# Altium PCB balenaFin_v1_x_x.PcbDoc (part 1 of 7) (continued)
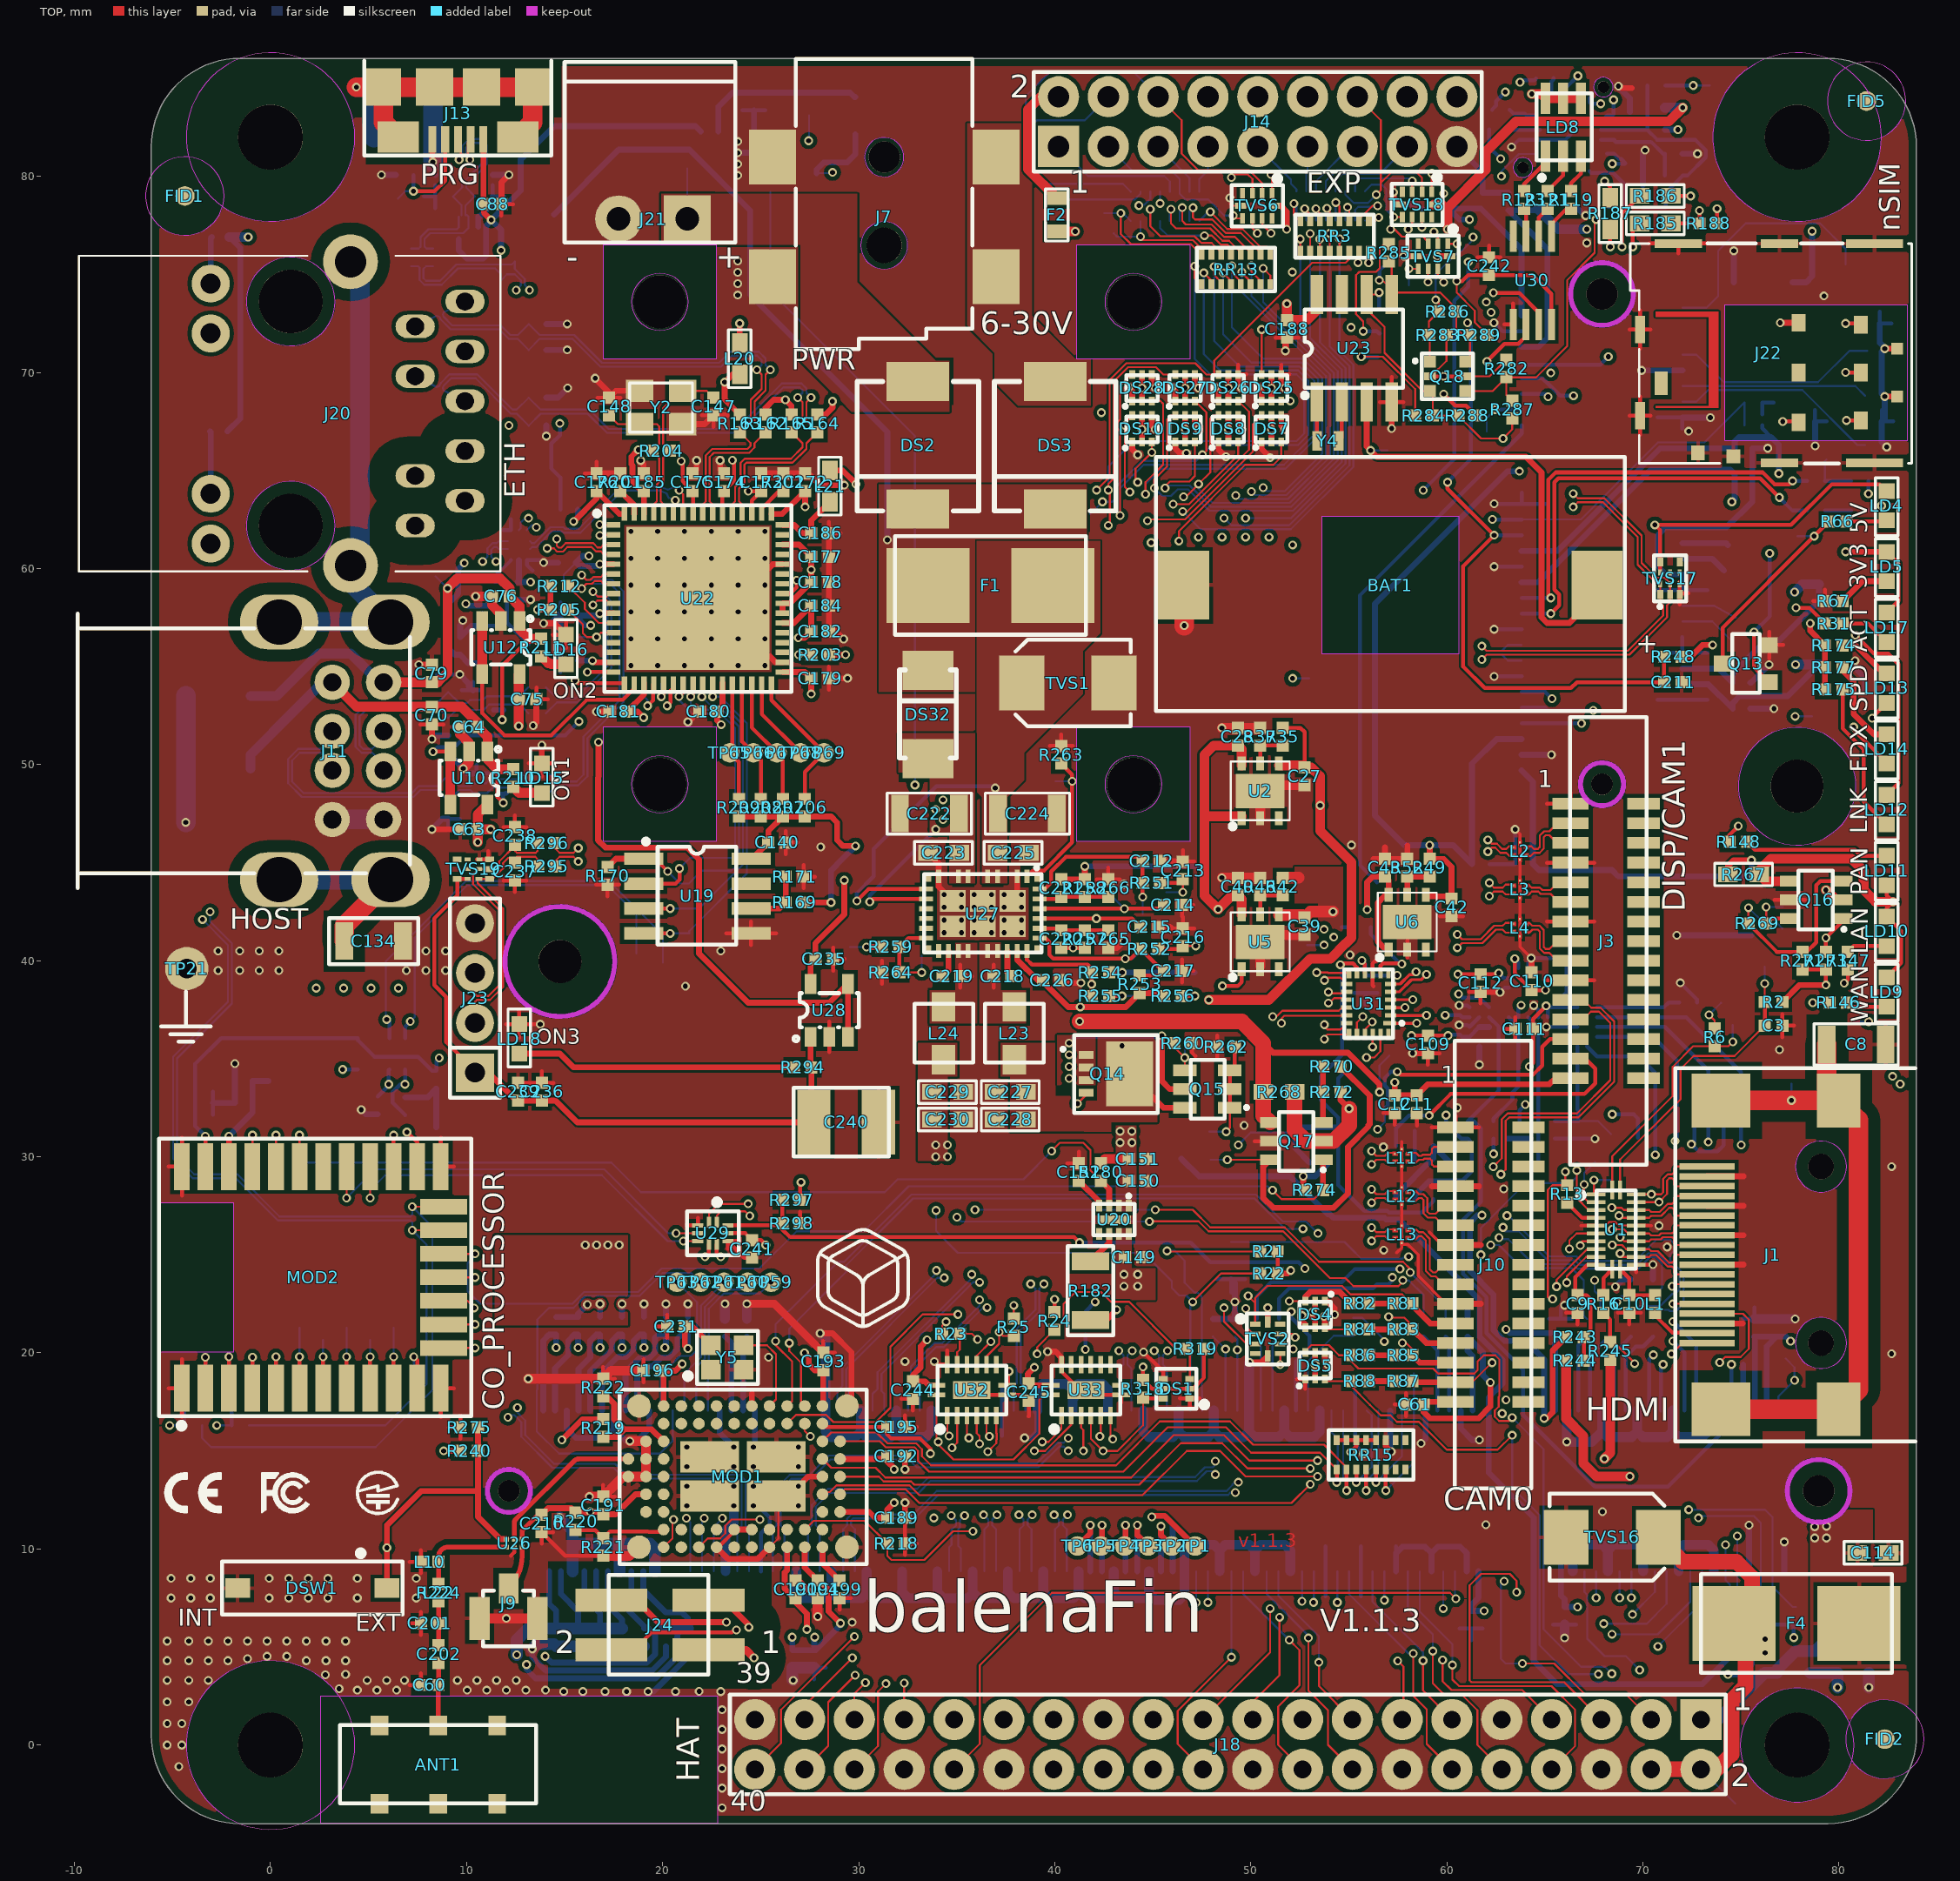
[diagram p0: TOP view]
## Components (designator, comment, footprint, x,y, rotation, side; value= is the part's Value field where it differs from the comment) (continued)
LD18 "LED_USB_HEADER" LD-0603 12.69,36.01 r270 top locked
MOD1 "WYSBHVGXG" MOD-WYSBHVGXG 24.1,13.69 r180 top locked
MOD2 "BGM111A256V21R" MOD-ARTIK-020 -5.37,17 r90 top locked
Q1 "BSS138LT1G" SOT23#1 48.99,25.65 r0 bottom locked
Q2 "BSS138LT1G" SOT23#2 29.835,84.05 r0 bottom locked
Q3 "BSS138LT1G" SOT23#3 25.49,79.21 r0 bottom locked
Q6 "BSS138LT1G" SOT23#3 10.81,55.17 r0 bottom locked
Q13 "BSS138LT1G" SOT23#2 76.43,54.2 r0 top locked
Q14 "SISS27DN-T1-GE3" POWERVDFN8-0330X0330 43.12,34.23 r270 top locked
Q15 "DMMT5401-7-F" SOT23-6L 48.93,32.5 r90 top locked
Q16 "FDC6327C" SOT23-6-DBV#1 78.83,43.1 r90 top locked
Q17 "FDC6327C" SOT23-6-DBV#1 52.33,30.8 r90 top locked
Q18 "PMGD280UN" SOT363 60.03,69.8 r0 top locked
Q20 "FDC6327C" SOT23-6-DBV#2 58.36,29.2 r0 bottom locked
Q21 "DMN3053L-7" SOT23#3 54.46,31.5 r0 bottom locked
R1 "2.49K" RS-0402#1 73.03,5.59 r270 bottom locked
R2 "0R" RS-0402#1 76.66,37.89 r0 top locked
R3 "2.49K" RS-0402#2 75.09,6.57 r0 bottom locked
R4 "2.49K" RS-0402#1 76.67,6.59 r270 bottom locked
R5 "2.49K" RS-0402#1 77.79,6.59 r270 bottom locked
R6 "0R" RS-0402#1 73.66,36.09 r270 top locked
R7 "100k" RS-0402#1 70.51,23.3 r270 bottom locked
R8 "0R" RS-0402#1 70.51,21.28 r90 bottom locked
R9 "0R" RS-0402#1 69.39,21.28 r90 bottom locked
R10 "100k" RS-0402#1 69.39,23.3 r270 bottom locked
R11 "0R" RS-0402#1 68.27,21.28 r90 bottom locked
R12 "0R" RS-0402#1 67.15,21.28 r90 bottom locked
R13 "0R" RS-0402#1 66.13,28.1 r270 top locked
R14 "0R" RS-0402#1 59.93,21.28 r90 bottom locked
R15 "0R" RS-0402#1 58.81,21.28 r90 bottom locked
R16 "0R" RS-0402#1 67.98,22.49 r90 top locked
R17 "0R" RS-0402#1 51.43,21.28 r90 bottom locked
R18 "100k" RS-0402#1 49.19,21.28 r270 bottom locked
R19 "0R" RS-0402#1 50.31,21.28 r90 bottom locked
R20 "100k" RS-0402#1 48.07,21.28 r270 bottom locked
R21 "100k" RS-0402#1 50.92,25.17 r0 top locked
R22 "100k" RS-0402#1 50.92,24.05 r0 top locked
R23 "100R" RS-0402#1 34.71,20.97 r180 top locked
R24 "100R" RS-0402#1 39.99,21.63 r270 top locked
R25 "100R" RS-0402#1 37.91,21.31 r90 top locked
R26 "100R" RS-0402#1 41.56,21.4 r270 bottom locked
R28 "10k" RS-0402#1 24.3,21.28 r90 bottom locked
R29 "10k" RS-0402#1 23.18,21.28 r90 bottom locked
R31 "470R" RS-0402#1 79.73,57.2 r0 top locked
R32 "1k" RS-0402#1 24.66,83.82 r90 bottom locked
R35 "24.9k" RS-0402#1 51.62,51.42 r90 top locked
R37 "10k" RS-0402#1 50.48,51.42 r270 top locked
R42 "12.4k" RS-0402#1 51.62,43.78 r90 top locked
R46 "10k" RS-0402#1 50.48,43.78 r270 top locked
R49 "8.66K" RS-0402#1 59.12,44.74 r90 top locked
R52 "10k" RS-0402#1 57.98,44.74 r270 top locked
R66 "1k" RS-0402#1 79.93,62.4 r0 top locked
R67 "470R" RS-0402#1 79.73,58.34 r0 top locked
R81 "100R" RS-0402#1 57.79,22.52 r180 top locked
R82 "100R" RS-0402#1 55.57,22.52 r180 top locked
R83 "100R" RS-0402#1 57.79,21.2 r180 top locked
R84 "100R" RS-0402#1 55.57,21.2 r180 top locked
R85 "100R" RS-0402#1 57.79,19.88 r180 top locked
R86 "100R" RS-0402#1 55.57,19.88 r180 top locked
R87 "100R" RS-0402#1 57.79,18.56 r180 top locked
R88 "100R" RS-0402#1 55.57,18.56 r180 top locked
R91 "0R" RS-0402#2 13.58,49.7 r0 bottom locked
R92 "0R" RS-0402#2 13.58,48.38 r0 bottom locked
R96 "1M" RS-1206#1 3.07,68.35 r0 bottom locked
R108 "0R" RS-0402#2 13.6,52.62 r0 bottom locked
R109 "0R" RS-0402#2 13.6,53.94 r0 bottom locked
R113 "47k" RS-0402#1 11.43,58.86 r90 bottom locked
R114 "0R" RS-0402#1 7.17,75.86 r90 bottom locked
R115 "0R" RS-0402#1 8.29,75.86 r90 bottom locked
R116 "1k" RS-0402#1 9.67,56.05 r270 bottom locked
R117 "1M" RS-1206#2 6.78,81.97 r0 bottom locked
R118 "10k" RS-0402#1 8.46,33.93 r270 bottom locked
R119 "240R" RS-0402#1 66.33,78.8 r270 top locked
R121 "200R" RS-0402#1 65.13,78.8 r270 top locked
R123 "200R" RS-0402#1 63.93,78.8 r270 top locked
R128 "10k" RS-0402#1 6.87,32.58 r90 bottom locked
R132 "10k" RS-0402#1 5.47,32.62 r270 bottom locked
R133 "49.9K" RS-0402#1 62.38,31.37 r270 bottom locked
R134 "10k" RS-0402#1 61.06,31.37 r270 bottom locked
R135 "49.9K" RS-0402#2 70.18,30.965 r0 bottom locked
R136 "49.9K" RS-0402#2 74.555,31.675 r0 bottom locked
R137 "49.9K" RS-0402#1 73.78,33.648 r0 bottom locked
R138 "49.9K" RS-0402#1 72.18,32.116 r0 bottom locked
R139 "0R" RS-0402#2 72.3,37.87 r0 bottom locked
R140 "0R" RS-0402#1 63.7,31.37 r90 bottom locked
R142 "DNP" RS-0402#1 78.83,64.47 r0 bottom locked
R143 "DNP" RS-0402#1 81.05,64.47 r0 bottom locked
R144 "DNP" RS-0402#1 78.83,62.95 r0 bottom locked
R145 "DNP" RS-0402#1 81.05,62.95 r0 bottom locked
R146 "330R" RS-0402#1 79.96,37.86 r0 top locked
R147 "330R" RS-0402#1 80.45,40 r90 top locked
R148 "330R" RS-0402#1 74.86,46.06 r0 top locked
R153 "DNP" RS-0402#1 6.84,80.07 r0 bottom locked
R162 "49.9R" RS-0402#1 25.25,67.4 r90 top locked
R163 "49.9R" RS-0402#1 23.93,67.4 r90 top locked
R164 "49.9R" RS-0402#1 27.89,67.4 r90 top locked
R165 "49.9R" RS-0402#1 26.57,67.4 r90 top locked
R169 "DNP" RS-0402#1 26.73,42.97 r0 top locked
R170 "10k" RS-0402#1 17.19,44.32 r90 top locked
R171 "0R" RS-0402#1 26.73,44.29 r180 top locked
R174 "470R" RS-0402#1 79.73,56.08 r180 top locked
R175 "470R" RS-0402#1 79.73,53.84 r180 top locked
R177 "470R" RS-0402#1 79.73,54.96 r180 top locked
R180 "100k" RS-0402#1 42.35,29.22 r90 top locked
R182 "100R" RS-1206#1 41.82,23.17 r270 top locked
R183 "0R" RS-0402#1 74.43,4.97 r90 bottom locked
R184 "DNP" RS-0402#1 75.55,4.97 r90 bottom locked
R185 "22R" RS-0603 70.63,77.6 r0 top locked
R186 "22R" RS-0603 70.63,79 r0 top locked
R187 "22R" RS-0603 68.33,78.1 r90 top locked
R188 "15k" RS-0402#1 73.33,77.6 r0 top locked
R200 "10R" RS-0402#1 15.23,63 r0 bottom locked
R201 "12k" RS-0402#1 17.83,64.4 r90 top locked
R202 "12.4k" RS-0402#1 26.15,64.4 r90 top locked
R203 "10k" RS-0402#1 28.03,55.6 r0 top locked
R204 "1M" RS-0402#1 19.93,66 r180 top locked
R205 "10k" RS-0402#1 14.73,57.9 r180 top locked
R206 "10k" RS-0402#1 27.25,47.8 r270 top locked
R207 "10k" RS-0402#1 26.13,47.8 r270 top locked
R208 "10k" RS-0402#1 25.01,47.8 r270 top locked
R209 "10k" RS-0402#1 23.89,47.8 r270 top locked
R210 "1k" RS-0402#1 12.38,49.31 r90 top locked
R211 "1k" RS-0402#1 13.81,55.97 r90 top locked
R212 "1k" RS-0402#1 14.73,59.1 r180 top locked
R218 "10k" RS-0402#1 31.91,10.28 r180 top locked
R219 "10k" RS-0402#1 16.97,16.17 r270 top locked
R220 "10k" RS-0402#1 15.56,11.41 r270 top locked
R221 "DNP" RS-0402#1 16.97,10.1 r90 top locked
R222 "DNP" RS-0402#1 16.97,18.23 r270 top locked
R224 "0R" RS-0402#1 8.57,7.77 r270 top locked
R229 "0R" RS-0402#2 71.57,81.15 r0 bottom locked
R230 "DNP" RS-0402#1 71.57,80.03 r0 bottom locked
R231 "0R" RS-0402#2 69.55,80.67 r0 bottom locked
R232 "0R" RS-0402#2 69.55,79.55 r0 bottom locked
R233 "DNP" RS-0402#2 70.68,84.633 r0 bottom locked
R234 "DNP" RS-0402#1 69.53,78.4 r0 bottom locked
R235 "0R" RS-0402#1 70.67,82.38 r0 bottom locked
R236 "DNP" RS-0402#1 70.67,83.5 r0 bottom locked
R237 "0R" RS-0402#2 22.395,82.285 r0 bottom locked
R240 "10k" RS-0402#1 10.13,15 r180 top locked
R243 "0R" RS-0402#1 66.53,20.8 r0 top locked
R244 "DNP" RS-0402#1 66.53,19.6 r0 top locked
R245 "10k" RS-0402#1 68.33,20.1 r90 top locked
R246 "10k" RS-0402#1 75.63,67.3 r0 bottom locked
R247 "DNP" RS-0402#2 75.63,68.46 r0 bottom locked
R248 "10k" RS-0402#1 71.53,55.5 r0 top locked
R249 "0R" RS-0402#1 62.6,82.4 r0 bottom
R250 "0R" RS-0402#1 62.75,83.4 r0 bottom
R251 "15k" RS-0402#1 44.93,43.96 r0 top locked
R252 "15k" RS-0402#1 44.83,40.6 r0 top locked
R253 "DNP" RS-0402#1 44.33,38.8 r270 top locked
R254 "DNP" RS-0402#1 42.33,39.4 r0 top locked
R255 "0R" RS-0402#1 42.33,38.2 r0 top locked
R256 "DNP" RS-0402#1 46.03,38.2 r180 top locked
R257 "1M" RS-0402#1 41.53,41.1 r270 top locked
R258 "1M" RS-0402#1 41.53,43.7 r90 top locked
R259 "DNP" RS-0402#1 31.63,40.7 r180 top locked
R260 "47k" RS-0402#1 46.54,35.79 r180 top locked
R262 "10k" RS-0402#1 48.73,35.6 r0 top locked
R263 "15k" RS-0402#1 40.33,50.5 r270 top locked
R264 "0R" RS-0402#1 31.63,39.4 r0 top locked
R265 "191k" RS-0402#1 42.73,41.1 r90 top locked
R266 "316k" RS-0402#1 42.73,43.7 r270 top locked
R267 "DNP" RS-0603 75.13,44.4 r0 top locked
R268 "DNP" RS-0603 51.43,33.3 r180 top locked
R269 "1k" RS-0402#1 75.83,41.9 r0 top locked
R270 "2.2K" RS-0402#1 54.13,34.6 r0 top locked
R271 "10k" RS-0402#1 78.13,40 r270 top locked
R272 "10k" RS-0402#1 54.13,33.3 r0 top locked
R273 "10k" RS-0402#1 79.33,40 r270 top locked
R274 "10k" RS-0402#1 53.23,28.3 r180 top locked
R275 "DNP" RS-0402#1 10.13,16.2 r0 top locked
R282 "2.49K" RS-0402#1 63.03,70.2 r270 top locked
R283 "2.49K" RS-0402#1 59.53,71.9 r0 top locked
R284 "DNP" RS-0402#1 58.83,67.8 r180 top locked
R285 "DNP" RS-0402#1 57.03,76.1 r270 top locked
R286 "DNP" RS-0402#1 60.03,73.1 r180 top locked
R287 "DNP" RS-0402#1 63.33,68.1 r270 top locked
R288 "2.49K" RS-0402#1 61.03,67.8 r0 top locked
R289 "2.49K" RS-0402#1 61.63,71.9 r180 top locked
R293 "0R" RS-0402#1 55.23,21.33 r90 bottom locked
R294 "1k" RS-0402#1 27.14,34.56 r0 top locked
R295 "0R" RS-0402#1 14.09,44.81 r180 top locked
R296 "0R" RS-0402#1 14.07,45.99 r180 top locked
R297 "DNP" RS-0402#1 26.56,27.8 r0 top locked
R298 "10k" RS-0402#1 26.56,26.6 r180 top locked
R307 "470R" RS-0402#1 -2.54,76.9 r0 bottom locked
R308 "470R" RS-0402#2 -2.64,67 r0 bottom locked
R309 "0R" RS-0402#1 55.66,41.7 r0 bottom locked
R311 "DNP" RS-0402#1 64.99,85 r0 bottom
R312 "0R" RS-0402#2 -3.94,17.6 r0 bottom locked
R313 "0R" RS-0402#2 -1.54,17.6 r0 bottom locked
R314 "DNP" RS-0402#1 -1.54,16.3 r0 bottom locked
R315 "DNP" RS-0402#2 -3.94,16.3 r0 bottom locked
R316 "2.2K" RS-0402#1 60.76,29.2 r270 bottom locked
R317 "2.2K" RS-0402#2 53.46,29.7 r0 bottom locked
R318 "2.49K" RS-0402#1 44.5,18.17 r270 top locked
R319 "2.49K" RS-0402#1 47.16,20.2 r180 top locked
RR2 "100R/5%" RR-8X-1506#1 54.07,78.49 r0 bottom locked
RR3 "100R/5%" RR-8X-1506#2 54.27,76.95 r0 top locked
RR4 "49.9R" RR-1206 6.86,34.45 r0 bottom locked
RR13 "100R/5%" RR-8X-1506#2 49.24,75.25 r0 top locked
RR14 "100R/5%" RR-8X-1506#1 45.62,78.47 r0 bottom locked
RR15 "10k/5%" RR-8X-1506#2 56.13,14.8 r0 top locked
TP1 "TPS" TPS-0100#1 47.16,10.15 r0 top locked
TP2 "TPS" TPS-0100#1 45.96,10.15 r0 top locked
TP3 "TPS" TPS-0100#1 44.76,10.15 r0 top locked
TP4 "TPS" TPS-0100#1 43.56,10.15 r0 top locked
TP5 "TPS" TPS-0100#1 42.36,10.15 r0 top locked
TP6 "TPS" TPS-0100#1 41.16,10.15 r0 top locked
TP21 "TPT" TPT-0100 -4.27,39.6 r0 top locked
TP41 "TPS" TPS-0100#1 64.65,29.4 r0 bottom locked
TP46 "TPS" TPS-0100#1 80.33,75.5 r0 bottom locked
TP47 "TPS" TPS-0100#1 81.33,68.8 r0 bottom locked
TP49 "TPS" TPS-0100#1 81.33,66.3 r0 bottom locked
TP50 "TPS" TPS-0100#1 81.43,71.1 r0 bottom locked
TP55 "TPS" TPS-0100#1 74.33,61.2 r0 bottom locked
TP56 "TPS" TPS-0100#1 74.13,59.9 r0 bottom locked
TP57 "TPS" TPS-0100#2 74.73,57.5 r0 bottom locked
TP58 "TPS" TPS-0100#1 74.53,56.3 r0 bottom locked
TP59 "TPS" TPS-0100#1 25.53,23.6 r0 top locked
TP60 "TPS" TPS-0100#1 24.33,23.6 r0 top locked
TP61 "TPS" TPS-0100#1 23.13,23.6 r0 top locked
TP62 "TPS" TPS-0100#1 21.93,23.6 r0 top locked
TP63 "TPS" TPS-0100#1 20.73,23.6 r0 top locked
TP64 "TPS" TPS-0100#1 56.43,44 r0 bottom locked
TP65 "TPS" TPS-0100#1 23.43,50.6 r0 top locked
TP66 "TPS" TPS-0100#1 24.63,50.6 r0 top locked
TP67 "TPS" TPS-0100#1 25.83,50.6 r0 top locked
TP68 "TPS" TPS-0100#1 27.03,50.6 r0 top locked
TP69 "TPS" TPS-0100#1 28.23,50.6 r0 top locked
TP70 "TPS" TPS-0100#1 6.53,38.6 r0 bottom locked
TP71 "TPS" TPS-0100#1 5.13,38.6 r0 bottom locked
TP72 "TPS" TPS-0100#1 3.73,38.6 r0 bottom locked
TP84 "TPS" TPS-0100#1 2.33,38.6 r0 bottom locked
TVS1 "SMBJ36A" SMB 38.32,54.16 r0 top locked
TVS2 "TPD6E001RSER" UFQFN10 50.86,20.71 r90 top locked
TVS3 "TPD3E001DRLR" SOP5_USON6 11.25,49.05 r0 bottom locked
TVS4 "TPD3E001DRLR" SOP5_USON6 11.075,53.29 r0 bottom locked
TVS5 "TPD3E001DRLR" SOP5_USON6 10.1,77.12 r270 bottom locked
TVS6 "TPD6E001RSER" UFQFN10 50.33,78.5 r0 top locked
TVS7 "TPD6E001RSER" UFQFN10 59.29,75.92 r0 top locked
TVS15 "SM2T3V3A" D-DO216AA 82.05,6.29 r0 bottom locked
TVS16 "SM6T6V8A" SMB 70.78,10.6 r180 top locked
TVS17 "TPD3E001DRLR" SOP5_USON6 71.38,59.5 r90 top locked
TVS18 "TPD6E001RSER" UFQFN10 58.48,78.56 r0 top locked
TVS19 "TPD3E001DRLR" SOP5_USON6 10.35,44.67 r180 top locked
U1 "TPD12S016RKTR" UFQFN24-4X2 68.635,26.29 r270 top locked
U2 "LD39050PUR" DFN6_3X3_STM-L 50.48,48.66 r90 top locked
U5 "LD39050PUR" DFN6_3X3_STM-L 50.48,40.96 r90 top locked
U6 "LD39050PUR" DFN6_3X3_STM-L 57.979,41.97 r90 top locked
U10 "TPS2051CDBVR" SOT23-5 11.07,50.66 r180 top locked
U12 "TPS2051CDBVR" SOT23-5 12.7,57.32 r180 top locked
U13 "FSUSB42UMX" UMLP10 12.67,61.19 r0 bottom locked
U17 "SDINBDG4-8G-I" VFBGA153 64.4,38.37 r90 bottom locked
U19 "93AA66CT-I/SN" SOIC8 19.03,45.2 r270 top locked
U20 "AP22800HB-7" UFDFN8-EXP-0210X0160 43.02,26.79 r180 top locked
U22 "LAN9514I-JZX" IC-LAN9514 21.8,58.47 r0 top locked
U23 "DS1307ZN+" SOIC8 53.37,68.49 r0 top locked
U25 "PCA9554BS3-118" QFN16-EXP-3X3-4X4 66.3,82.119 r0 bottom
U26 "BGS12SN6E6327XTSA1" XFDFN6 12.43,10.3 r180 top locked
U27 "LT8650SEV" IC-LT8650SEV 36.33,42.4 r270 top locked
U28 "TPS2051CDBVR" SOT23-5 27.55,36.11 r0 top locked
U29 "FSUSB42UMX" UMLP10 22.56,26.1 r270 top locked
U30 "PCA9633DP1" MSOP8 64.33,74.65 r270 top locked
U31 "FSA642UMX" UFQFN24-0250X0340 56.01,37.81 r180 top locked
U32 "74CBTLV3257BQ" VFQFN16-EXP-0250X0300#1 35.77,18.1 r0 top locked
U33 "74CBTLV3257BQ" VFQFN16-EXP-0250X0300#2 41.59,18.1 r0 top locked
Y2 "25MHz" Y-ABM8G 19.93,68.26 r180 top locked
Y4 "ABS05-32.768KHZ-T" Y-ABS05 53.93,66.5 r180 top locked
Y5 "NZ2520SB-32.768KHZ-NSA3534C" Y-NZ2520S 23.3,19.76 r0 top locked

## Footprints (in the part's own frame and the unit in brackets; to place one, negate y for a bottom-side part, rotate by r counter-clockwise, add the part's x,y. Pads: shape width x height; smd on the part's side, far side on the other; paste and mask are expansions set on the pad)
ANT-AH104N [mm] "ANT-AH104N"
  rect 0.9x1 smd: 1(-3,-2) 2(0,-2) 3(3,-2) 4(3,2) 5(0,2) 6(-3,2)
  body extent -5.2,-2.5 5.2,2.5, height 3.81
BAT-SMTU1225 [mm] "BAT-SMTU1225"
  rect 2.6x3.5 smd: 1(-10.55,0) 2(10.55,0)
  TOP keep-out region: 3.5,-3.5 3.5,3.5 -3.5,3.5 -3.5,-3.5 3.5,-3.5
  TOP keep-out region: 3.5,-3.5 3.5,3.5 -3.5,3.5 -3.5,-3.5 3.5,-3.5
  body extent -12.2,-6.55 12.15,6.55, height 3.81
CS-C-0402#1 [mm] "CS-C-0402"
  rect 0.62x0.62 smd: 1(-0.45,0) 2(0.45,0)
  body extent -1.01,-0.56 1.01,0.56, height 3.81
CS-C-0402#2 [mm] "CS-C-0402"
  rect 0.62x0.62 smd: 1(0.45,0) 2(-0.45,0)
  body extent -1.01,-0.56 1.01,0.56, height 3.81
CS-C-0603#1 [mm] "CS-C-0603"
  rect 1x0.8 smd: 1(-0.8,0) 2(0.8,0)
  body extent -1.53,-0.65 1.53,0.65, height 3.81
CS-C-0603#2 [mm] "CS-C-0603"
  rect 1x0.8 smd: 1(0.8,0) 2(-0.8,0)
  body extent -1.52,-0.65 1.53,0.65, height 3.81
CS-C-1206#1 [mm] "CS-C-1206"
  rect 0.9x1.9 smd: 1(-1.5,0) 2(1.5,0)
  body extent -2.25,-1.15 2.25,1.15, height 3.81
CS-C-1206#2 [mm] "CS-C-1206"
  rect 0.9x1.9 smd: 1(1.5,0) 2(-1.5,0)
  body extent -2.25,-1.15 2.25,1.15, height 3.81
CS-C-1210#1 [mm] "CS-C-1210"
  rect 1.7x3.3 smd: 1(1.65,0.1) 2(-1.65,0.1)
  body extent -2.7,-1.75 2.7,1.95, height 3.81
CS-C-1210#2 [mm] "CS-C-1210"
  rect 1.7x3.3 smd: 1(-1.65,-0.1) 2(1.65,-0.1)
D-DO216AA [mm] "D-DO216AA"
  rect 1.38x0.75 smd: 1(-2.56,0)
  rect 2.32x2.03 smd: 2(0,0)
  body extent -3.45,-1.22 1.36,1.22, height 3.81
DFN6_3X3_STM-L [mil]
  rect 28x16 smd paste+0 mask+0: 1(-55,37.4) 2(-55,0) 3(-55,-37.4) 4(55,-37.4) 5(55,0) 6(55,37.4)
  rect 69x98 smd paste+0 mask+0: 7(0,0)
DSS-CHS-01TB#1 [mm] "DSS-CHS-01TB"
  rect 1x1.27 smd: 1(0,3.81) 2(0,-3.81)
  body extent -1.45,-4.7 1.45,4.7, height 3.81
DSS-CHS-01TB#2 [mm] "DSS-CHS-01TB"
  rect 1x1.27 smd: 1(0,-3.81) 2(0,3.81)
  body extent -1.45,-4.7 1.45,4.7, height 3.81
F-LT154 [mm] "F-LT154"
  rect 4.24x3.81 smd: 1(-3.185,0) 2(3.185,0)
FIDUCIAL [mm]
  round 1 smd paste+0 mask+0: 1(0,0)
  Keep-Out Layer circle w0.025: c0,0 r2
FS-0603#1 [mm] "FS-0603"
  rect 0.7x1 smd: 1(-0.85,0) 2(0.85,0)
  body extent -1.4,-0.7 1.4,0.7, height 3.81
FS-0603#2 [mm] "FS-0603"
  rect 0.7x1 smd: 1(0.85,0) 2(-0.85,0)
  body extent -1.4,-0.7 1.4,0.7, height 3.81
IC-LAN9514 [mm] "IC-LAN9514"
  rect 0.69x0.28 smd mask+0.12: 1(-4.31,3.75) 2(-4.31,3.25) 3(-4.31,2.75) 4(-4.31,2.25) 5(-4.31,1.75) 6(-4.31,1.25) 7(-4.31,0.75) 8(-4.31,0.25) 9(-4.31,-0.25) 10(-4.31,-0.75) 11(-4.31,-1.25) 12(-4.31,-1.75) 13(-4.31,-2.25) 14(-4.31,-2.75) 15(-4.31,-3.25) 16(-4.31,-3.75) 33(4.31,-3.75) 34(4.31,-3.25) 35(4.31,-2.75) 36(4.31,-2.25) 37(4.31,-1.75) 38(4.31,-1.25) 39(4.31,-0.75) 40(4.31,-0.25) 41(4.31,0.25) 42(4.31,0.75) 43(4.31,1.25) 44(4.31,1.75) 45(4.31,2.25) 46(4.31,2.75) 47(4.31,3.25) 48(4.31,3.75)
  rect 0.28x0.69 smd mask+0.12: 17(-3.75,-4.31) 18(-3.25,-4.31) 19(-2.75,-4.31) 20(-2.25,-4.31) 21(-1.75,-4.31) 22(-1.25,-4.31) 23(-0.75,-4.31) 24(-0.25,-4.31) 25(0.25,-4.31) 26(0.75,-4.31) 27(1.25,-4.31) 28(1.75,-4.31) 29(2.25,-4.31) 30(2.75,-4.31) 31(3.25,-4.31) 32(3.75,-4.31) 49(3.75,4.31) 50(3.25,4.31) 51(2.75,4.31) 52(2.25,4.31) 53(1.75,4.31) 54(1.25,4.31) 55(0.75,4.31) 56(0.25,4.31) 57(-0.25,4.31) 58(-0.75,4.31) 59(-1.25,4.31) 60(-1.75,4.31) 61(-2.25,4.31) 62(-2.75,4.31) 63(-3.25,4.31) 64(-3.75,4.31)
  rect 7.3x7.3 smd: 65(0,0)
  body extent -4.9,-4.9 4.9,4.9, height 3.81
IC-LT8650SEV [mm] "IC-LT8650SEV"
  rect 0.7x0.25 smd mask+0.13: 1(-1.9,2.25) 2(-1.9,1.75) 4(-1.9,0.75) 5(-1.9,0.25) 7(-1.9,-0.75) 8(-1.9,-1.25) 10(-1.9,-2.25) 17(1.9,-2.25) 18(1.9,-1.75) 19(1.9,-1.25) 20(1.9,-0.75) 22(1.9,0.25) 23(1.9,0.75) 24(1.9,1.25) 25(1.9,1.75) 26(1.9,2.25)
  rect 0.25x0.7 smd mask+0.13: 11(-1.25,-2.9) 12(-0.75,-2.9) 13(-0.25,-2.9) 14(0.25,-2.9) 15(0.75,-2.9) 16(1.25,-2.9) 27(1.25,2.9) 28(0.75,2.9) 29(0.25,2.9) 30(-0.25,2.9) 31(-0.75,2.9) 32(-1.25,2.9)
  rect 1.1x1.33 smd: 33(-0.65,1.53) 34(0.65,1.53) 35(-0.65,0) 36(0.65,0) 37(-0.65,-1.53) 38(0.65,-1.53)
  rect 0.375x0.375 smd mask+0.13: " "(-1.813,2.812) " "(-1.813,-2.812) " "(1.812,2.812) " "(1.812,-2.812)
  body extent -2.25,-3.25 2.25,3.25, height 3.81
J-2-0350-MOT-MC [mm] "J-2-0350-MOT-MC"
  rect 2.4x2.4 hole 1.2: 1(0,0)
  round 2.4 hole 1.2: 2(0,3.5)
  body extent -1.4,-2.65 8.2,6.15, height 3.81
J-2X2-0254-MDT-TSM [mm] "J-2X2-0254-MDT-TSM"
  rect 1.17x3.68 smd: 1(-1.27,-2.475) 2(-1.27,2.475) 3(1.27,-2.475) 4(1.27,2.475)
  body extent -2.74,-4.33 2.74,4.33, height 3.81
J-3-MDS-UFL [mm] "J-3-MDS-UFL"
  rect 1x1.55 smd: 1(0,-1.525)
  rect 1.05x2.2 smd: 2(-1.475,0) 3(1.475,0)
  body extent -2.2,-2.25 2.2,1.75, height 3.81
J-4-0254-MDT [mm] "J-4-0254-MDT"
  rect 1.94x1.94 hole 1: 1(-2.54,0)
  round 1.94 hole 1: 2(0,0) 3(2.54,0) 4(5.08,0)
  body extent -4.01,-1.47 6.55,1.47, height 3.81
J-5-0065-FOS-MICROUSB10118192 [mm] "J-5-0065-FOS-MICROUSB10118192"
  rect 0.4x1.35 smd mask+0.13: 1(-1.3,0.125) 2(-0.65,0.125) 3(0,0.125) 4(0.65,0.125) 5(1.3,0.125)
  rect 2.1x1.6 smd: 6(-3.05,0) 7(3.05,0)
  rect 1.9x1.9 smd: 8(-1.2,-2.55) 9(1.2,-2.55)
  rect 1.8x1.9 smd: 10(-3.8,-2.55) 11(3.8,-2.55)
  body extent -4.9,-4.2 4.9,1.03, height 3.81
J-8-0200-FOT-USB-A-2X [mm] "J-8-0200-FOT-USB-A-2X"
  round 1.8 hole 0.92: 1(3.5,2.62) 2(1,2.62) 3(-1,2.62) 4(-3.5,2.62) 5(3.5,0) 6(1,0) 7(-1,0) 8(-3.5,0)
  oval 2.8x4 hole 2.3: 9(6.57,5.33) 10(6.57,-0.35) 11(-6.57,-0.35) 12(-6.57,5.33)
  body extent -8.35,-2.17 8.35,15.83, height 3.81
J-9X2-0254-MDT [mm] "J-9X2-0254-MDT"
  rect 2.1x2.1 hole 1.1: 1(0,0)
  round 2.1 hole 1.1: 2(0,2.54) 3(2.54,0) 4(2.54,2.54) 5(5.08,0) 6(5.08,2.54) 7(7.62,0) 8(7.62,2.54) 9(10.16,0) 10(10.16,2.54) 11(12.7,0) 12(12.7,2.54) 13(15.24,0) 14(15.24,2.54) 15(17.78,0) 16(17.78,2.54) 17(20.32,0) 18(20.32,2.54)
  body extent -1.3,-1.3 21.56,3.84, height 3.81
J-15X2-0100-FDS-ZIF [mm] "J-15X2-0100-FDS-ZIF"
  rect 0.6x1.85 smd: 1(7,1.85) 2(6,1.85) 3(5,1.85) 4(4,1.85) 5(3,1.85) 6(2,1.85) 7(1,1.85) 8(0,1.85) 9(-1,1.85) 10(-2,1.85) 11(-3,1.85) 12(-4,1.85) 13(-5,1.85) 14(-6,1.85) 15(-7,1.85)
  rect 0.6x1.65 smd: 16(-7,-1.875) 17(-6,-1.875) 18(-5,-1.875) 19(-4,-1.875) 20(-3,-1.875) 21(-2,-1.875) 22(-1,-1.875) 23(0,-1.875) 24(1,-1.875) 25(2,-1.875) 26(3,-1.875) 27(4,-1.875) 28(5,-1.875) 29(6,-1.875) 30(7,-1.875)
  body extent -11.4,-2.7 11.4,2.78, height 3.81
J-19-0050-FOS-HDMI-A-CNCTECH [mm]
  rect 0.33x2.82 smd: 1(4.5,6.71) 2(4,6.71) 3(3.5,6.71) 4(3,6.71) 5(2.5,6.71) 6(2,6.71) 7(1.5,6.71) 8(1,6.71) 9(0.5,6.71) 10(0,6.71) 11(-0.5,6.71) 12(-1,6.71) 13(-1.5,6.71) 14(-2,6.71) 15(-2.5,6.71) 16(-3,6.71) 17(-3.5,6.71) 18(-4,6.71) 19(-4.5,6.71)
  rect 2.75x2.2 smd: 21(-7.875,0) 22(7.875,0)
  rect 2.75x3 smd: 23(7.875,6) 24(-7.875,6)
  round 1.3 hole 1.3 unplated: ""(-4.5,0.9) ""(4.5,0.9)
  Multi-Layer keep-out circle w0.025: c-4.5,0.9 r1.3
  Multi-Layer keep-out circle w0.025: c4.5,0.9 r1.3
  Multi-Layer keep-out circle w0.025: c-4.5,0.9 r1.3
  Multi-Layer keep-out circle w0.025: c4.5,0.9 r1.3
  body extent -9.5,-4.8 9.5,8.4, height 3.81
J-20X2-0254-MDT [mm] "J-20X2-0254-MDT"
  rect 2.1x2.1 hole 0.9: 1(0,0)
  round 2.1 hole 0.9: 2(0,2.54) 3(2.54,0) 4(2.54,2.54) 5(5.08,0) 6(5.08,2.54) 7(7.62,0) 8(7.62,2.54) 9(10.16,0) 10(10.16,2.54) 11(12.7,0) 12(12.7,2.54) 13(15.24,0) 14(15.24,2.54) 15(17.78,0) 16(17.78,2.54) 17(20.32,0) 18(20.32,2.54) 19(22.86,0) 20(22.86,2.54) 21(25.4,0) 22(25.4,2.54) 23(27.94,0) 24(27.94,2.54) 25(30.48,0) 26(30.48,2.54) 27(33.02,0) 28(33.02,2.54) 29(35.56,0) 30(35.56,2.54) 31(38.1,0) 32(38.1,2.54) 33(40.64,0) 34(40.64,2.54) 35(43.18,0) 36(43.18,2.54) 37(45.72,0) 38(45.72,2.54) 39(48.26,0) 40(48.26,2.54)
  body extent -1.3,-1.3 49.5,3.84, height 3.81
J-26X2-0080-FOS-2041119 [mm]
  rect 0.6x2 smd: 1(-12,-4.1) 2(-11.6,4.1) 3(-11.2,-4.1) 4(-10.8,4.1) 5(-10.4,-4.1) 6(-10,4.1) 7(-9.6,-4.1) 8(-9.2,4.1) 9(-8.8,-4.1) 10(-8.4,4.1) 11(-8,-4.1) 12(-7.6,4.1) 13(-7.2,-4.1) 14(-6.8,4.1) 15(-6.4,-4.1) 16(-6,4.1) 17(-2.4,-4.1) 18(-2,4.1) 19(-1.6,-4.1) 20(-1.2,4.1) 21(-0.8,-4.1) 22(-0.4,4.1) 23(0,-4.1) 24(0.4,4.1) 25(0.8,-4.1) 26(1.2,4.1) 27(1.6,-4.1) 28(2,4.1) 29(2.4,-4.1) 30(2.8,4.1) 31(3.2,-4.1) 32(3.6,4.1) 33(4,-4.1) 34(4.4,4.1) 35(4.8,-4.1) 36(5.2,4.1) 37(5.6,-4.1) 38(6,4.1) 39(6.4,-4.1) 40(6.8,4.1) 41(7.2,-4.1) 42(7.6,4.1) 43(8,-4.1) 44(8.4,4.1) 45(8.8,-4.1) 46(9.2,4.1) 47(9.6,-4.1) 48(10,4.1) 49(10.4,-4.1) 50(10.8,4.1) 51(11.2,-4.1) 52(11.6,4.1)
  rect 2.3x3.2 smd: " "(-14.85,-3.5) " "(14.45,-3.5)
  round 1.6 hole 1.6 unplated: ""(-12.7,0)
  round 2.7 hole 2.7 unplated mask+0: ""(-12.3,23.9) ""(-12.3,48.05) ""(12.3,23.9) ""(12.3,48.05)
  round 1.1 hole 1.1 unplated: ""(12.3,0)
  Keep-Out Layer circle w0.254: c-12.7,0 r1.6
  Keep-Out Layer circle w0.254: c12.3,0 r1.1
  Keep-Out Layer region: -15.2,50.95 -9.4,50.95 -9.4,45.15 -15.2,45.15
  Keep-Out Layer region: 9.4,50.95 15.2,50.95 15.2,45.15 9.4,45.15
  Keep-Out Layer region: -15.2,26.8 -9.4,26.8 -9.4,21 -15.2,21
  Keep-Out Layer region: 9.4,26.8 15.2,26.8 15.2,21 9.4,21
  body extent -16.2,-5.3 15.8,51.2, height 3.81
J-200-0060-MOS-1473005-4 [mm]
  rect 0.35x2 smd mask+0.15: 1(31.65,4.2) 2(31.35,-4) 3(31.05,4.2) 4(30.75,-4) 5(30.45,4.2) 6(30.15,-4) 7(29.85,4.2) 8(29.55,-4) 9(29.25,4.2) 10(28.95,-4) 11(28.65,4.2) 12(28.35,-4) 13(28.05,4.2) 14(27.75,-4) 15(27.45,4.2) 16(27.15,-4) 17(26.85,4.2) 18(26.55,-4) 19(26.25,4.2) 20(25.95,-4) 21(25.65,4.2) 22(25.35,-4) 23(25.05,4.2) 24(24.75,-4) 25(24.45,4.2) 26(24.15,-4) 27(23.85,4.2) 28(23.55,-4) 29(23.25,4.2) 30(22.95,-4) 31(22.65,4.2) 32(22.35,-4) 33(22.05,4.2) 34(21.75,-4) 35(21.45,4.2) 36(21.15,-4) 37(20.85,4.2) 38(20.55,-4) 39(20.25,4.2) 40(19.95,-4) 41(16.05,4.2) 42(15.75,-4) 43(15.45,4.2) 44(15.15,-4) 45(14.85,4.2) 46(14.55,-4) 47(14.25,4.2) 48(13.95,-4) 49(13.65,4.2) 50(13.35,-4) 51(13.05,4.2) 52(12.75,-4) 53(12.45,4.2) 54(12.15,-4) 55(11.85,4.2) 56(11.55,-4) 57(11.25,4.2) 58(10.95,-4) 59(10.65,4.2) 60(10.35,-4) 61(10.05,4.2) 62(9.75,-4) 63(9.45,4.2) 64(9.15,-4) 65(8.85,4.2) 66(8.55,-4) 67(8.25,4.2) 68(7.95,-4) 69(7.65,4.2) 70(7.35,-4) 71(7.05,4.2) 72(6.75,-4) 73(6.45,4.2) 74(6.15,-4) 75(5.85,4.2) 76(5.55,-4) 77(5.25,4.2) 78(4.95,-4) 79(4.65,4.2) 80(4.35,-4) 81(4.05,4.2) 82(3.75,-4) 83(3.45,4.2) 84(3.15,-4) 85(2.85,4.2) 86(2.55,-4) 87(2.25,4.2) 88(1.95,-4) 89(1.65,4.2) 90(1.35,-4) 91(1.05,4.2) 92(0.75,-4) 93(0.45,4.2) 94(0.15,-4) 95(-0.15,4.2) 96(-0.45,-4) 97(-0.75,4.2) 98(-1.05,-4) 99(-1.35,4.2) 100(-1.65,-4) 101(-1.95,4.2) 102(-2.25,-4) 103(-2.55,4.2) 104(-2.85,-4) 105(-3.15,4.2) 106(-3.45,-4) 107(-3.75,4.2) 108(-4.05,-4) 109(-4.35,4.2) 110(-4.65,-4) 111(-4.95,4.2) 112(-5.25,-4) 113(-5.55,4.2) 114(-5.85,-4) 115(-6.15,4.2) 116(-6.45,-4) 117(-6.75,4.2) 118(-7.05,-4) 119(-7.35,4.2) 120(-7.65,-4) 121(-7.95,4.2) 122(-8.25,-4) 123(-8.55,4.2) 124(-8.85,-4) 125(-9.15,4.2) 126(-9.45,-4) 127(-9.75,4.2) 128(-10.05,-4) 129(-10.35,4.2) 130(-10.65,-4) 131(-10.95,4.2) 132(-11.25,-4) 133(-11.55,4.2) 134(-11.85,-4) 135(-12.15,4.2) 136(-12.45,-4) 137(-12.75,4.2) 138(-13.05,-4) 139(-13.35,4.2) 140(-13.65,-4) 141(-13.95,4.2) 142(-14.25,-4) 143(-14.55,4.2) 144(-14.85,-4) 145(-15.15,4.2) 146(-15.45,-4) 147(-15.75,4.2) 148(-16.05,-4) 149(-16.35,4.2) 150(-16.65,-4) 151(-16.95,4.2) 152(-17.25,-4) 153(-17.55,4.2) 154(-17.85,-4) 155(-18.15,4.2) 156(-18.45,-4) 157(-18.75,4.2) 158(-19.05,-4) 159(-19.35,4.2) 160(-19.65,-4) 161(-19.95,4.2) 162(-20.25,-4) 163(-20.55,4.2) 164(-20.85,-4) 165(-21.15,4.2) 166(-21.45,-4) 167(-21.75,4.2) 168(-22.05,-4) 169(-22.35,4.2) 170(-22.65,-4) 171(-22.95,4.2) 172(-23.25,-4) 173(-23.55,4.2) 174(-23.85,-4) 175(-24.15,4.2) 176(-24.45,-4) 177(-24.75,4.2) 178(-25.05,-4) 179(-25.35,4.2) 180(-25.65,-4) 181(-25.95,4.2) 182(-26.25,-4) 183(-26.55,4.2) 184(-26.85,-4) 185(-27.15,4.2) 186(-27.45,-4) 187(-27.75,4.2) 188(-28.05,-4) 189(-28.35,4.2) 190(-28.65,-4) 191(-28.95,4.2) 192(-29.25,-4) 193(-29.55,4.2) 194(-29.85,-4) 195(-30.15,4.2) 196(-30.45,-4) 197(-30.75,4.2) 198(-31.05,-4) 199(-31.35,4.2) 200(-31.65,-4)
  rect 4.5x4.6 smd mask+0.15: " "(-32.55,-11.9) " "(32.55,-11.9)
  round 1.1 hole 1.1 unplated: ""(-33.4,0.1)
  round 2.2 hole 2.2 unplated: ""(-30.8,-26.9)
  round 1.6 hole 1.6 unplated: ""(33.4,0.1)
  Keep-Out Layer circle w0.254: c-33.4,0.1 r1.1
  Keep-Out Layer circle w0.254: c33.4,0.1 r1.6
  Keep-Out Layer circle w0.254: c-30.8,-26.9 r2.8
  body extent -37.7,-32 37.7,5.4, height 3.81
J-CUPJ002AH [mm] "J-CUPJ002AH"
  rect 2.8x2.4 smd: 1A(6.1,5.7) 1B(0,5.7) 2(0,-5.7) 3(6.1,-5.7)
  round 1.6 hole 1.6 unplated: " "(0,0)
  round 1.8 hole 1.8 unplated: " "(4.5,0)
  Multi-Layer keep-out circle w0.025: c0,0 r1
  Multi-Layer keep-out circle w0.025: c4.5,0 r1.2
  Multi-Layer keep-out circle w0.025: c4.5,0 r1.2
  Multi-Layer keep-out circle w0.025: c0,0 r1
  body extent -5,-7 9.8,7, height 3.81
J-NANOSIM-SF72S006VBA [mm]
  rect 0.9x0.7 smd: 1(2.99,-10.175) 2(0.55,-10.175) 3(-1.89,-10.175) 5(3.09,-7.005) 6(0.55,-7.005) 7(-1.99,-7.005)
  rect 0.45x2.9 smd: 8(-4.045,-10.875) 17(7.13,-10.875)
  rect 0.45x1.9 smd: 9(-4.045,-6.025) 16(7.13,-6.025)
  rect 0.7x0.7 smd: 10(-3.72,-3.675)
  rect 0.75x0.7 smd: 11(-3.545,-1.875)
  rect 1.4x0.5 smd: 12(-1.65,1.075) 14(2.75,1.075)
  rect 1.2x0.65 smd: 13(0,0)
  rect 0.45x2.4 smd: 15(7.13,-0.875)
  rect 0.6x0.6 smd: 18(1.77,-12.025) 19(-0.67,-12.025)
  TOP region: -1.25,-2.925 -1.25,0.275 -1.15,0.275 -1.15,-2.425 3.4,-2.425 3.4,0.275 3.65,0.275 3.65,-2.925 -1.25,-2.925
  TOP keep-out region: -2.94,-3.27 -2.92,-3.25 4.02,-3.25 4.02,-12.55 -2.93,-12.55
  body extent -4.27,-12.98 7.33,1.78, height 3.81
J-RJ45-7499410213 [mm]
  oval 1.2x2 hole 0.9: 1(5.715,-19.78) 2(4.445,-17.24) 3(3.175,-19.78) 4(1.905,-17.24) 5(0.635,-19.78) 7(-1.905,-19.78) 8(-3.175,-17.24) 9(-4.445,-19.78) 10(-5.715,-17.24)
  round 1.94 hole 1.02: 11(6.63,-6.81) 12(4.09,-6.81) 13(-4.09,-6.81) 14(-6.63,-6.81)
  round 2.8 hole 1.6: 15(-7.745,-13.94) 16(7.745,-13.94)
  round 3.25 hole 3.25 unplated: ""(-5.715,-10.89) ""(5.715,-10.89)
  Multi-Layer keep-out circle w0.025: c-5.715,-10.89 r2.26
  Multi-Layer keep-out circle w0.025: c5.715,-10.89 r2.26
  Multi-Layer keep-out circle w0.025: c5.715,-10.89 r2.26
  Multi-Layer keep-out circle w0.025: c-5.715,-10.89 r2.26
  body extent -9.15,-22.04 9.15,0.2, height 3.81